# KiCad board agb-hifi-audio-pcb.kicad_pcb
title: AGB HiFi Audio Mod PCB; rev: 1.1; company: Cajun Panda's Retro Gaming
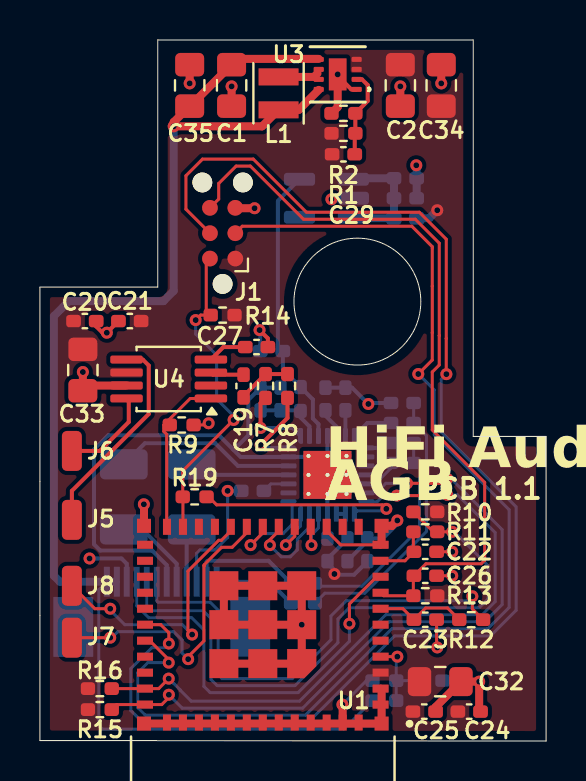
[diagram p0: board, top side]
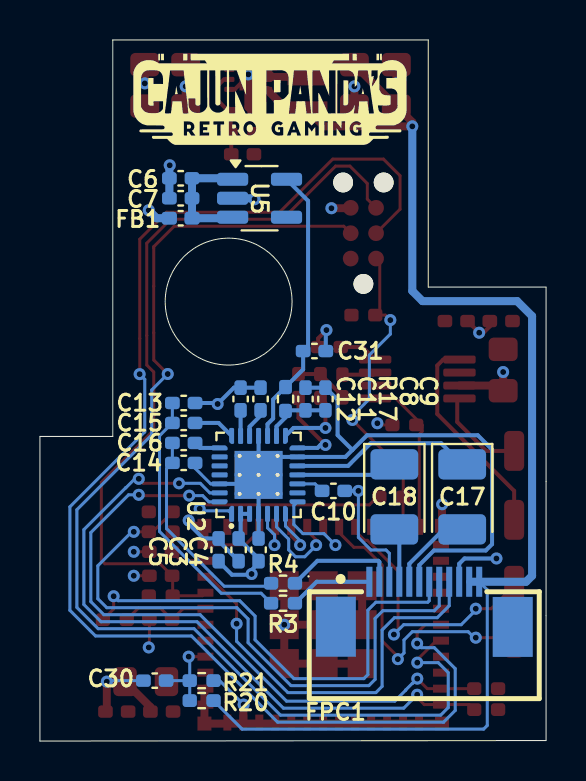
[diagram p1: board, bottom side, seen from below]

Outline 25.35 x 35.1 mm; copper layers: Top (plane), In1.Cu (plane), In2.Cu (plane), Bottom. Coordinates in mm from the lower left corner of the outline.
Outline path: circle c15.9,22 r3.18 ; 0,22.72 0,0.02 25.35,0 25.35,15.25 21.7,15.25 21.7,35.1 5.9,35.1 5.9,22.72 0,22.72
Stack: Top 0.035mm / dielectric 0.1mm FR4 er 4.5 / In1.Cu 0.035mm / dielectric 1.24mm FR4 er 4.5 / In2.Cu 0.035mm / dielectric 0.1mm FR4 er 4.5 / Bottom 0.035mm

## Placement (name value [footprint] x y rotation side)
C1  22u  [C_0805_2012Metric_Pad1.18x1.45mm_HandSolder]  9.6 32.83 270 top
C2  22u  [C_0805_2012Metric_Pad1.18x1.45mm_HandSolder]  18.05 32.83 270 top
C3  10u  [C_0402_1005Metric_Pad0.74x0.62mm_HandSolder]  15.4 9.58 270 bottom
C4  100n  [C_0402_1005Metric_Pad0.74x0.62mm_HandSolder]  14.4 9.58 90 bottom
C5  1u  [C_0402_1005Metric_Pad0.74x0.62mm_HandSolder]  16.4 9.58 90 bottom
C6  10u  [C_0402_1005Metric_Pad0.74x0.62mm_HandSolder]  18.3 28.17 0 bottom
C7  100n  [C_0402_1005Metric_Pad0.74x0.62mm_HandSolder]  18.3 27.17 0 bottom
C8  10u  [C_0402_1005Metric_Pad0.74x0.62mm_HandSolder]  12.05 17.12 90 bottom
C9  100n  [C_0402_1005Metric_Pad0.74x0.62mm_HandSolder]  11.05 17.12 90 bottom
C10  10u  [C_0402_1005Metric_Pad0.74x0.62mm_HandSolder]  10.65 12.52 180 bottom
C11  10u  [C_0402_1005Metric_Pad0.74x0.62mm_HandSolder]  14.3 17.12 90 bottom
C12  4.7u  [C_0402_1005Metric_Pad0.74x0.62mm_HandSolder]  15.3 17.12 90 bottom
C13  10n C0G  [C_0402_1005Metric_Pad0.74x0.62mm_HandSolder]  18.15 16.92 180 bottom
C14  10n C0G  [C_0402_1005Metric_Pad0.74x0.62mm_HandSolder]  18.15 13.92 180 bottom
C15  1u  [C_0402_1005Metric_Pad0.74x0.62mm_HandSolder]  18.15 15.92 180 bottom
C16  1u  [C_0402_1005Metric_Pad0.74x0.62mm_HandSolder]  18.15 14.92 180 bottom
C17  220u/6.3V  [CP_EIA-3528-21_Kemet-B_HandSolder]  4.2 12.22 270 bottom
C18  220u/6.3V  [CP_EIA-3528-21_Kemet-B_HandSolder]  7.6 12.22 270 bottom
C19  1u  [C_0402_1005Metric_Pad0.74x0.62mm_HandSolder]  10.2 17.77 90 top
C20  10u  [C_0402_1005Metric_Pad0.74x0.62mm_HandSolder]  2.25 21.02 0 top
C21  100n  [C_0402_1005Metric_Pad0.74x0.62mm_HandSolder]  4.5 21.02 180 top
C22  10n  [C_0402_1005Metric_Pad0.74x0.62mm_HandSolder]  19.3 9.47 0 top
C23  10n  [C_0402_1005Metric_Pad0.74x0.62mm_HandSolder]  19.3 6.08 0 top
C24  10u  [C_0402_1005Metric_Pad0.74x0.62mm_HandSolder]  21.5 1.47 0 top
C25  100n  [C_0402_1005Metric_Pad0.74x0.62mm_HandSolder]  19.25 1.47 0 top
C26  100n  [C_0402_1005Metric_Pad0.74x0.62mm_HandSolder]  19.3 8.27 0 top
C27  1u  [C_0402_1005Metric_Pad0.74x0.62mm_HandSolder]  10.85 19.72 180 top
C29  10pF  [C_0402_1005Metric_Pad0.74x0.62mm_HandSolder]  15.2 29.38 0 top
C30  100n  [C_0402_1005Metric_Pad0.74x0.62mm_HandSolder]  19.6 3.02 0 bottom
C31  1u  [C_0402_1005Metric_Pad0.74x0.62mm_HandSolder]  11.6 19.52 180 bottom
C32  22u  [C_0805_2012Metric_Pad1.18x1.45mm_HandSolder]  20.05 2.97 0 top
C33  22u  [C_0805_2012Metric_Pad1.18x1.45mm_HandSolder]  2.15 18.58 270 top
C34  22u  [C_0805_2012Metric_Pad1.18x1.45mm_HandSolder]  20.1 32.83 90 top
C35  22u  [C_0805_2012Metric_Pad1.18x1.45mm_HandSolder]  7.5 32.83 90 top
FB1  600R@100MHz  [L_0402_1005Metric_Pad0.77x0.64mm_HandSolder]  18.3 26.17 180 bottom
FPC1  AFC07-S12ECA-00  [FPC-SMD_12P-P0.50_AFC07-S12ECA-00]  6.1 6.84 180 bottom
J1  TC2030-IDC-NL  [Tag-Connect_TC2030-IDC-NL_2x03_P1.27mm_Vertical]  9.15 25.42 90 top
J5  SPK+  [SolderWirePad_1x01_SMD_1x2mm]  1.6 11.08 0 top
J6  SPK-  [SolderWirePad_1x01_SMD_1x2mm]  1.6 14.52 0 top
J7  EXPANSION0  [SolderWirePad_1x01_SMD_1x2mm]  1.6 5.17 0 top
J8  EXPANSION1  [SolderWirePad_1x01_SMD_1x2mm]  1.6 7.77 0 top
L1  0.47uH  [L_Sunlord_SWPA252012S]  11.95 32.42 90 top
NT1  NetTie_2  [NetTie-2_SMD_Pad0.2mm]  12.9 14.22 180 bottom
R1  316k  [R_0402_1005Metric_Pad0.72x0.64mm_HandSolder]  15.2 30.42 0 top
R2  100k  [R_0402_1005Metric_Pad0.72x0.64mm_HandSolder]  15.2 31.42 180 top
R3  2.2k  [R_0402_1005Metric_Pad0.72x0.64mm_HandSolder]  13.17 6.9 0 bottom
R4  2.2k  [R_0402_1005Metric_Pad0.72x0.64mm_HandSolder]  13.17 7.9 0 bottom
R7  15k  [R_0402_1005Metric_Pad0.72x0.64mm_HandSolder]  11.3 17.77 90 top
R8  15k  [R_0402_1005Metric_Pad0.72x0.64mm_HandSolder]  12.4 17.77 90 top
R9  100k  [R_0402_1005Metric_Pad0.72x0.64mm_HandSolder]  7.1 15.83 180 top
R10  10k  [R_0402_1005Metric_Pad0.72x0.64mm_HandSolder]  19.3 11.47 180 top
R11  1k  [R_0402_1005Metric_Pad0.72x0.64mm_HandSolder]  19.3 10.47 180 top
R12  1k  [R_0402_1005Metric_Pad0.72x0.64mm_HandSolder]  21.6 6.08 180 top
R13  10k  [R_0402_1005Metric_Pad0.72x0.64mm_HandSolder]  19.3 7.27 180 top
R14  10k  [R_0402_1005Metric_Pad0.72x0.64mm_HandSolder]  9.15 21.33 180 top
R15  4.7k  [R_0402_1005Metric_Pad0.72x0.64mm_HandSolder]  3 1.58 0 top
R16  4.7k  [R_0402_1005Metric_Pad0.72x0.64mm_HandSolder]  3 2.62 0 top
R17  10R  [R_0402_1005Metric_Pad0.72x0.64mm_HandSolder]  13.05 17.12 270 bottom
R19  33R  [R_0402_1005Metric_Pad0.72x0.64mm_HandSolder]  7.75 12.22 0 top
R20  100k  [R_0402_1005Metric_Pad0.72x0.64mm_HandSolder]  17.25 2.02 0 bottom
R21  100k  [R_0402_1005Metric_Pad0.72x0.64mm_HandSolder]  17.25 3.02 180 bottom
U1  ESP32-PICO-MINI-02-N8R2  [MODULE_ESP32-PICO-MINI-02]  11.16 5.83 180 top
U2  ES8388  [QFN-28-1EP_4x4mm_P0.45mm_EP2.4x2.4mm_ThermalVias]  14.4 13.33 90 bottom
U3  TPS61021ADSGR  [DSG0008A_TEX]  14.91 33.38 180 top
U4  PAM8302AASCR  [MSOP-8_3x3mm_P0.65mm]  6.45 18.12 180 top
U5  LP5907MFX-3.0  [SOT-23-5_HandSoldering]  14.35 27.17 180 bottom

## Library data of the parts
C1 C2 = -: KiLib_Generator: SMD_2terminal_chip_molded; MPN: CL21A226MAQNNNE; LCSC: C45783; Manufacturer: Samsung Electro-Mechanics; DigiKey: 1276-2908-2-ND; BOM Comments: 22u 25V X5R 0805, JLC basic. DigiKey stock 0 @2026-07-12; DK alt TMK212BBJ226MG-TT (587-6359-1-ND); ki_fp_filters: C_*
C3 C6 C8 C10 C11 C20 C24 = -: KiLib_Generator: SMD_2terminal_chip_molded; MPN: CL05A106MQ5NUNC; LCSC: C15525; Manufacturer: Samsung Electro-Mechanics; DigiKey: 490-GRM155R61A106ME18DCT-ND; ki_fp_filters: C_*
C4 C7 C9 C21 C25 C26 C30 = -: KiLib_Generator: SMD_2terminal_chip_molded; MPN: CL05B104KO5NNNC; LCSC: C1525; Manufacturer: Samsung Electro-Mechanics; DigiKey: 490-3261-1-ND; ki_fp_filters: C_*
C5 C19 C27 C31 = -: KiLib_Generator: SMD_2terminal_chip_molded; MPN: CL05A105KA5NQNC; LCSC: C52923; Manufacturer: Samsung Electro-Mechanics; DigiKey: 490-10694-1-ND; ki_fp_filters: C_*
C12 = -: KiLib_Generator: SMD_2terminal_chip_molded; MPN: CL05A475MP5NRNC; LCSC: C23733; Manufacturer: Samsung Electro-Mechanics; DigiKey: 490-5915-1-ND; ki_fp_filters: C_*
C13 C14 = -: KiLib_Generator: Reconstruction LPF shunt cap; sets the corner; MPN: GRM1555C1E103JE01D; Note: Reconstruction LPF shunt cap; sets the corner; LCSC: C3855387; Manufacturer: Murata Electronics; DigiKey: 490-GRM1555C1E103JE01DCT-ND; ki_fp_filters: C_*
C15 C16 = -: KiLib_Generator: SMD_2terminal_chip_molded; MPN: CL05A105KA5NQNC; Note: AC-couple; sets the bass high-pass corner; LCSC: C52923; Manufacturer: Samsung Electro-Mechanics; DigiKey: 490-10694-1-ND; ki_fp_filters: C_*
C17 C18 = -: KiLib_Generator: SMD_2terminal_chip_molded; MPN: T520B227M006ATE045; Note: Sole HP DC block. 220u polymer (3528 B): ~23Hz corner into 16ohm + 15ohm build-out, 45Hz bare 16ohm. Max bass for the 3528 footprint. DNP if using capless headphones. Pin1(+) to codec.; LCSC: C254404; Manufacturer: KEMET; DigiKey: 399-5755-1-ND; ki_fp_filters: CP_*
C22 C23 = -: KiLib_Generator: SMD_2terminal_chip_molded; MPN: CL05B103KB5NNNC; LCSC: C15195; Manufacturer: Samsung Electro-Mechanics; DigiKey: 490-4516-1-ND; ki_fp_filters: C_*
C29 = -: KiLib_Generator: SMD_2terminal_chip_molded; MPN: CL05C100JB5NNNC; LCSC: C32949; Manufacturer: Samsung Electro-Mechanics; DigiKey: 490-5921-1-ND; ki_fp_filters: C_*
C32-C35 = -: KiLib_Generator: SMD_2terminal_chip_molded; MPN: CL21A226MAQNNNE; LCSC: C45783; Manufacturer: Samsung Electro-Mechanics; DigiKey: 1276-2908-2-ND; ki_fp_filters: C_*
FB1 = -: KiLib_Generator: SMD_2terminal_chip_molded; MPN: BLM15AG601SN1D; LCSC: C76884; Manufacturer: Murata Electronics; DigiKey: 490-1006-1-ND; ki_fp_filters: Inductor_* L_* *Ferrite*
FPC1 = -: Datasheet: https://datasheet.lcsc.com/datasheet/pdf/e6db9dca17f20fc619a0f13e17b23bd3.pdf; LCSC Part: C262585; Note: Top-contact 0.5mm ZIF; pin 1 mirrored for the folded flex tail. Swapped from Hirose FH12A-12S-0.5SH(55) 2026-07-21 (no JLCPCB stock); flex-tail mating spec verified against AFC07 datasheet.; LCSC: C262585; Manufacturer: JUSHUO; ki_fp_filters: Connector*:*_1x??_*
J1 = -: ki_fp_filters: Connector*:*_2x??_*
J5-J8 = -: ki_fp_filters: Connector*:*_1x??_*
L1 = -: MPN: WIP252012P-R47ML; Note: Boost inductor; size per the TPS61021 datasheet; LCSC: C964119; Manufacturer: INPAQ; DigiKey: 490-13049-1-ND; ki_fp_filters: Choke_* *Coil* Inductor_* L_*
NT1 = -: Note: GND/AGND 2-way star; the only tie between the two grounds; ki_fp_filters: Net*Tie*
R1 = -: KiLib_Generator: SMD_2terminal_chip_molded; MPN: 0402WGF3163TCE; LCSC: C25777; Manufacturer: UNI-ROYAL; DigiKey: 13-RC0402FR-13316KLCT-ND; ki_fp_filters: R_*
R2 R9 R20 R21 = -: KiLib_Generator: SMD_2terminal_chip_molded; MPN: 0402WGF1003TCE; LCSC: C25741; Manufacturer: UNI-ROYAL; DigiKey: 311-100KLRCT-ND; ki_fp_filters: R_*
R3 R4 = -: KiLib_Generator: Reconstruction LPF series R; sets the corner; MPN: 0402WGF2201TCE; Note: Reconstruction LPF series R; sets the corner; LCSC: C25879; Manufacturer: UNI-ROYAL; DigiKey: 13-RC0402FR-132K2LCT-ND; ki_fp_filters: R_*
R7 = -: KiLib_Generator: Mono sum to the speaker amp; level set by codec output volume; MPN: 0402WGF1502TCE; Note: Mono sum to the speaker amp; level set by codec output volume; LCSC: C25756; Manufacturer: UNI-ROYAL; DigiKey: 311-15.0KLRCT-ND; ki_fp_filters: R_*
R8 = -: KiLib_Generator: Mono sum to the speaker amp; MPN: 0402WGF1502TCE; Note: Mono sum to the speaker amp; LCSC: C25756; Manufacturer: UNI-ROYAL; DigiKey: 311-15.0KLRCT-ND; ki_fp_filters: R_*
R10 R13 R14 = -: KiLib_Generator: SMD_2terminal_chip_molded; MPN: 0402WGF1002TCE; LCSC: C25744; Manufacturer: UNI-ROYAL; DigiKey: 541-10.0KLCT-ND; ki_fp_filters: R_*
R11 R12 = -: KiLib_Generator: SMD_2terminal_chip_molded; MPN: 0402WGF1001TCE; LCSC: C11702; Manufacturer: UNI-ROYAL; DigiKey: 311-1.00KLRCT-ND; ki_fp_filters: R_*
R15 R16 = -: KiLib_Generator: SMD_2terminal_chip_molded; MPN: 0402WGF4701TCE; LCSC: C25900; Manufacturer: UNI-ROYAL; DigiKey: 311-4.7KLRCT-ND; ki_fp_filters: R_*
R17 = -: KiLib_Generator: R-iso AVDD to HPVDD per ES8388 datasheet; MPN: 0402WGF100JTCE; Note: R-iso AVDD to HPVDD per ES8388 datasheet; LCSC: C25077; Manufacturer: UNI-ROYAL; DigiKey: YAG3438CT-ND; ki_fp_filters: R_*
R19 = -: KiLib_Generator: SMD_2terminal_chip_molded; MPN: 0402WGF330JTCE; LCSC: C25105; Manufacturer: UNI-ROYAL; DigiKey: 311-33.0LRCT-ND; ki_fp_filters: R_*
U1 = -: LCSC: C2980306; Manufacturer: Espressif Systems; DigiKey: 1965-ESP32-PICO-MINI-02-N8R2CT-ND
U2 = -: KiLib_Generator: I2C addr 0x10 (CE tied low); Note: I2C addr 0x10 (CE tied low); LCSC: C365736; Manufacturer: Everest Semiconductor
U3 = -: LCSC: C193037; Manufacturer: Texas Instruments; DigiKey: 296-TPS61021ADSGRCT-ND
U4 = -: KiLib_Generator: package/gullwing; LCSC: C113367; Manufacturer: Diodes Incorporated; DigiKey: PAM8302AASCRDICT-ND; ki_fp_filters: MSOP*0.65mm*
U5 = -: Datasheet: http://www.ti.com/lit/ds/symlink/lp5907.pdf; Description: 250-mA Ultra-Low-Noise Low-IQ LDO, 3.0V, SOT-23-5; MPN: LP5907MFX-3.0/NOPB; Manufacturer: Texas Instruments; LCSC: C475492; DigiKey: 296-40357-1-ND; BOM Comments: Codec analog LDO (AVDD/HPVDD off the radio rail). JLC extended part - no basic low-noise LDO exists. Genuine TI; cheaper LCSC C23380873 unverified mfr.; ki_fp_filters: SOT?23*

## Footprints (pads in the part's own frame, mm; a bottom-side part is the same pattern mirrored in y, then rotated)
C_0402_1005Metric_Pad0.74x0.62mm_HandSolder
  rrect 0.735x0.62 smd: 1(-0.568,0) 2(0.568,0)
C_0805_2012Metric_Pad1.18x1.45mm_HandSolder
  rrect 1.175x1.45 smd: 1(-1.038,0) 2(1.038,0)
CP_EIA-3528-21_Kemet-B_HandSolder
  rrect 1.515x2.39 smd: 1(-1.627,0) 2(1.627,0)
DSG0008A_TEX
  rrect 0.508x0.254 smd: 1(-0.95,0.75) 2(-0.95,0.25) 3(-0.95,-0.25) 4(-0.95,-0.75) 5(0.95,-0.75) 6(0.95,-0.25) 7(0.95,0.25) 8(0.95,0.75)
  rect 0.889x1.6 smd: 9(0,0)
FPC-SMD_12P-P0.50_AFC07-S12ECA-00
  rect 0.3x1.5 smd: 1(-2.75,1.13) 2(-2.25,1.13) 3(-1.75,1.13) 4(-1.25,1.13) 5(-0.75,1.13) 6(-0.25,1.13) 7(0.25,1.13) 8(0.75,1.13) 9(1.25,1.13) 10(1.75,1.13) 11(2.25,1.13) 12(2.75,1.13)
  rect 2x3 smd: 13(4.43,-1.13) 14(-4.43,-1.12)
L_0402_1005Metric_Pad0.77x0.64mm_HandSolder
  rrect 0.765x0.64 smd: 1(-0.573,0) 2(0.573,0)
L_Sunlord_SWPA252012S
  rect 0.85x2 smd: 1(-0.825,0) 2(0.825,0)
MODULE_ESP32-PICO-MINI-02
  rect 0.8x0.4 smd: 1(-5.9,4) 2(-5.9,3.2) 3(-5.9,2.4) 4(-5.9,1.6) 5(-5.9,0.8) 6(-5.9,0) 7(-5.9,-0.8) 8(-5.9,-1.6) 9(-5.9,-2.4) 10(-5.9,-3.2) 11(-5.9,-4) 25(5.9,-4) 26(5.9,-3.2) 27(5.9,-2.4) 28(5.9,-1.6) 29(5.9,-0.8) 30(5.9,0) 31(5.9,0.8) 32(5.9,1.6) 33(5.9,2.4) 34(5.9,3.2) 35(5.9,4)
  rect 0.4x0.8 smd: 12(-4.8,-4.9) 13(-4,-4.9) 14(-3.2,-4.9) 15(-2.4,-4.9) 16(-1.6,-4.9) 17(-0.8,-4.9) 18(0,-4.9) 19(0.8,-4.9) 20(1.6,-4.9) 21(2.4,-4.9) 22(3.2,-4.9) 23(4,-4.9) 24(4.8,-4.9) 36(4.8,4.9) 37(4,4.9) 38(3.2,4.9) 39(2.4,4.9) 40(1.6,4.9) 41(0.8,4.9) 42(0,4.9) 43(-0.8,4.9) 44(-1.6,4.9) 45(-2.4,4.9) 46(-3.2,4.9) 47(-4,4.9) 48(-4.8,4.9)
  rect 1.45x1.45 smd: 49(0,0) 54(-1.95,0) 55(-1.95,-1.95) 56(0,-1.95) 57(1.95,-1.95) 58(1.95,0) 59(1.95,1.95) 60(0,1.95)
  rect 0.7x0.7 smd: 50(5.95,4.95) 51(5.95,-4.95) 52(-5.95,-4.95) 53(-5.95,4.95)
  custom 1.46x1.46 smd: 61(-1.95,1.95)
MSOP-8_3x3mm_P0.65mm
  rrect 1.625x0.4 smd: 1(-2.112,0.975) 2(-2.112,0.325) 3(-2.112,-0.325) 4(-2.112,-0.975) 5(2.112,-0.975) 6(2.112,-0.325) 7(2.112,0.325) 8(2.112,0.975)
NetTie-2_SMD_Pad0.2mm
  round 0.2 smd: 1(-0.3,0) 2(0.3,0)
QFN-28-1EP_4x4mm_P0.45mm_EP2.4x2.4mm_ThermalVias
  rrect 1.04x1.04 smd: (-0.6,-0.6) (-0.6,0.6) (0.6,-0.6) (0.6,0.6)
  custom 0.8x0.25 smd: 1(-1.95,1.35) 7(-1.95,-1.35) 15(1.95,-1.35) 21(1.95,1.35)
  rrect 0.8x0.25 smd: 2(-1.95,0.9) 3(-1.95,0.45) 4(-1.95,0) 5(-1.95,-0.45) 6(-1.95,-0.9) 16(1.95,-0.9) 17(1.95,-0.45) 18(1.95,0) 19(1.95,0.45) 20(1.95,0.9)
  custom 0.25x0.8 smd: 8(-1.35,-1.95) 14(1.35,-1.95) 22(1.35,1.95) 28(-1.35,1.95)
  rrect 0.25x0.8 smd: 9(-0.9,-1.95) 10(-0.45,-1.95) 11(0,-1.95) 12(0.45,-1.95) 13(0.9,-1.95) 23(0.9,1.95) 24(0.45,1.95) 25(0,1.95) 26(-0.45,1.95) 27(-0.9,1.95)
  round 0.5 hole 0.2: 29(-0.95,-0.95) 29(-0.95,0) 29(-0.95,0.95) 29(0,-0.95) 29(0,0) 29(0,0.95) 29(0.95,-0.95) 29(0.95,0) 29(0.95,0.95)
  rect 2.4x2.4 smd far side: 29(0,0)
  rect 2.4x2.4 smd: 29(0,0)
R_0402_1005Metric_Pad0.72x0.64mm_HandSolder
  rrect 0.715x0.64 smd: 1(-0.598,0) 2(0.598,0)
SolderWirePad_1x01_SMD_1x2mm
  rrect 1x2 smd: 1(0,0)
SOT-23-5_HandSoldering
  rrect 1.56x0.65 smd: 1(-1.35,0.95) 2(-1.35,0) 3(-1.35,-0.95) 4(1.35,-0.95) 5(1.35,0.95)
Tag-Connect_TC2030-IDC-NL_2x03_P1.27mm_Vertical
  round 0.991 hole 0.991 unplated: (-2.54,0) (2.54,1.016) (2.54,-1.016)
  round 0.787 smd: 1(-1.27,-0.635) 2(-1.27,0.635) 3(0,-0.635) 4(0,0.635) 5(1.27,-0.635) 6(1.27,0.635)

## Nets
+3V3: C2.1 C3.1 C4.1 C5.1 C20.1 C21.1 C24.1 C25.1 C29.1 C32.1 C33.1 C34.1 FB1.1 J1.1 R1.1 R10.1 R13.1 R14.1 R15.1 R16.1 U1.3 U2.2 U2.3 U3.3 U3.4 U4.6
AGND: C8.2 C9.2 FPC1.6 NT1.2 U2.13
AVDD: C31.1 R17.1 U2.17 U5.5
AVDD_IN: C6.1 C7.1 FB1.2 U5.1 U5.3
GND: C1.2 C2.2 C3.2 C4.2 C5.2 C6.2 C7.2 C10.2 C11.2 C12.2 C13.2 C14.2 C20.2 C21.2 C22.2 C23.2 C24.2 C25.2 C26.2 C27.1 C30.2 C31.2 C32.2 C33.2 C34.2 C35.2 FPC1.3 FPC1.10 J1.5 NT1.1 R2.2 R9.1 R21.2 U1.1 U1.2 U1.11 U1.14 U1.36 U1.37 U1.38 U1.39 U1.40 U1.41 U1.42 U1.43 U1.44 U1.45 U1.46 U1.47 U1.48 U1.49 U1.50 U1.51 U1.52 U1.53 U1.54 U1.55 U1.56 U1.57 U1.58 U1.59 U1.60 U1.61 U2.4 U2.18 U2.26 U2.29 U3.1 U3.9 U4.7 U5.2
VBAT: C1.1 C35.1 FPC1.11 FPC1.12 L1.1 R20.1 U3.5 U3.8
VBAT_SENSE: C30.1 R20.2 R21.1 U1.4
ADCVREF: C11.1 U2.19
ESP_BOOT: J1.2 R14.2 R19.1 U1.23
ESP_EN: C26.1 J1.6 R13.2 U1.8
EXP0: J7.1 U1.19
EXP1: J8.1 U1.20
HP_DET: C22.1 R11.2 U1.10
HPVDD: C8.1 C9.1 R17.2 U2.16
I2C_SCL: R16.2 U1.34 U2.28
I2C_SDA: R15.2 U1.35 U2.27
I2S_BCLK: U1.15 U2.5
I2S_DIN: U1.18 U2.8
I2S_DOUT: U1.17 U2.6
I2S_LRCK: U1.16 U2.7
I2S_MCLK: R19.2 U2.1
LIN: FPC1.2 R4.1
LOUT: C17.2 FPC1.5
LOUT1: C17.1 U2.12
LOUT2: R7.1 U2.15
PAIR: FPC1.9 U1.9
PAM_IN: C19.2 U4.3
PAM_SD: R9.2 U1.24 U4.1
PAM_SUM: C19.1 R7.2 R8.2
RIN: FPC1.1 R3.1
ROUT: C18.2 FPC1.4
ROUT1: C18.1 U2.11
ROUT2: R8.1 U2.14
SPK+: J5.1 U4.5
SPK-: J6.1 U4.8
SW: FPC1.8 R10.2 R11.1
UART_RX: J1.4 U1.30
UART_TX: J1.3 U1.31
VMID: C12.1 U2.20
VOL: FPC1.7 R12.1
VOL_F: C23.1 R12.2 U1.7
VREF: C10.1 U2.10
Net-(C13-Pad1): C13.1 C15.1 R3.2
Net-(C14-Pad1): C14.1 C16.1 R4.2
Net-(L1-Pad2): L1.2 U3.6 U3.7
Net-(U2-LIN2): C16.2 U2.22
Net-(U2-RIN2): C15.2 U2.21
Net-(U3-FB): C29.2 R1.2 R2.1 U3.2
Net-(U4-IN-): C27.2 U4.4

Pads without a net: FPC1 13 14; U1 5 6 12 13 21 22 25 26 27 28 29 32 33; U2 9 23 24 25; U4 2; U5 4

## Via types
v1: diameter 0.6, hole 0.3, Top to Bottom, 53 vias

## Routing (per net, layer and track width the routed paths; a pad name or vN(x,y) marks a point on that pad's centre or on a via; arc(x,y) is an arc through that point)
+3V3: length 6.8
  Bottom w0.2: U2.3 U2.2 15.3,10.24 ; 14.4,8.91 14.75,8.56 v1(14.75,8.36) 14.79,8.33 15.73,8.33 16.4,8.99 ; 14.4,9.13 15.4,10.13
  Bottom w0.4: FB1.1 19.5,26.17 v1(19.9,26.58)
AGND: length 24.8
  Bottom w0.2: 9.7,14.58 8.96,15.31 3.42,15.31 2.7,14.59 2.7,9.86 3.02,9.54 5.62,9.54 6.35,8.81 FPC1.6 ; 9.7,14.58 10.44,15.31 10.44,17.08 C9.2 C8.2 ; 9.7,14.58 10.05,14.22 U2.13
AVDD: length 14.1
  Bottom w0.2: U5.5 11.92,27.05 11.92,19.77 C31.1 12.17,18.61 R17.1 13.67,17.1 13.67,16.15 13.95,15.87 U2.17
AVDD_IN: length 6
  Bottom w0.4: 17.73,26.18 C7.1 C6.1 15.75,28.17 ; FB1.2 15.75,26.17
GND: length 90.1
  Top w0.15: C22.2 20.6,9.47 ; C23.2 19.87,4.72 v1(19.9,4.69) ; R9.1 8.36,15.83 v1(8.45,15.91) ; U1.11 15.06,9.83 14.36,10.52 ; 20.6,8.27 C26.2
  Top w0.2: 14.91,33.31 15.59,32.62 U3.1 ; C21.2 v1(3.35,20.44) 3.13,20.44 2.82,20.76 C20.2 ; C27.1 11.42,20.16 v1(11,20.58)
  Top w0.4: U1.11 17.11,9.88 U1.52 17.63,10.77 v1(17.9,11.04) ; R2.2 14.91,31.74 v1(14.91,33.38) ; U1.59 U1.60 U1.61 ; v1(9.6,32.77) C1.2 ; v1(10.75,26.67) 9.8,26.67 ; U1.51 5.21,11.76 5.21,11.77 v1(5.21,11.85) ; U1.47 15.16,1.81 v1(15.15,1.83) ; C25.2 19.82,1.7 C32.2 v1(22,2.97) 22,1.54 ; 2.41,17.8 U4.7 ; U1.2 17.11,2.58 U1.53 U1.50 ; C34.2 v1(20.1,32.92) ; 13.11,3.97 13.11,5.67 ; C35.2 v1(7.5,32.92) ; C33.2 v1(2.15,18.47) ; C2.2 v1(18.05,32.77) ; v1(13.11,5.83) U1.49 U1.58 U1.57 U1.56 U1.55 v1(13.11,5.83)
  Bottom w0.15: v1(22,2.97) 21.95,3.02 C30.2 ; C14.2 17.58,13.66 16.8,12.88 U2.26 ; FPC1.3 7.85,9.4 8.02,9.56 8.77,9.56 9.4,10.2 v1(9.4,12.52) ; R21.2 16.35,3.02 v1(15.15,1.83)
  Bottom w0.2: C5.2 17.17,10.14 17.9,10.87 v1(17.9,11.04) ; 14.85,12.88 U2.26 ; C13.2 16.5,16.92 v1(16.45,16.88) 15.63,17.69 C12.2 C11.2 ; FPC1.10 4.35,8.88 4.08,9.14 v1(2.48,9.14) ; v1(11,20.58) 11.03,20.54 C31.2 ; U2.18 U2.29 ; U2.29 U2.4 C4.2 ; 15.4,9.02 16.4,10.02 ; v1(9.4,12.52) C10.2
  Bottom w0.4: v1(14.6,27.12) 14.65,27.17 U5.2 ; C7.2 C6.2 18.87,28.81 v1(18.85,28.83)
  vias: v1(20.65,9.47) v1(20.65,8.27)
VBAT: length 69.1
  Top w0.4: 13.96,32.6 12.97,31.6 L1.1 11.12,30.77 v1(6.7,30.77) 6.7,30.99 C35.1 ; 7.52,31.79 C1.1 ; 9.89,34.15 13.96,34.15
  Bottom w0.15: R20.1 15.22,0.6 3.13,0.6 2.94,0.78 2.94,7.57 FPC1.12
  Bottom w0.4: 3.8,7.97 FPC1.12 1,7.97 0.7,8.27 0.7,21.27 1.45,22.02 6.19,22.02 6.7,22.54 v1(6.7,30.77)
VBAT_SENSE: length 4.2
  Top w0.15: U1.4 v1(17.9,4.22)
  Bottom w0.15: v1(17.9,4.22) 17.85,4.17 R21.1 ; C30.1 R21.1 ; R21.1 R20.2
ADCVREF: length 1.2
  Bottom w0.2: U2.19 14.85,15.74 14.3,16.29
ESP_BOOT: length 15.8
  Top w0.15: 9.65,15.97 9.8,15.97 v1(9.7,16.08) 7.15,13.53 R19.1 ; v1(7.8,21.08) 8.05,21.33 R14.2 ; U1.23 7.16,12.22 ; 8.33,21.55 8.33,23.97
  Bottom w0.15: v1(9.7,16.08) 9.7,16.27 8.85,17.12 8.85,19.33 7.8,20.38 v1(7.8,21.08)
ESP_EN: length 38.1
  Top w0.15: U1.8 17.21,7.27 R13.2 18.7,8.24 ; 8.52,26.69 8.95,27.13 8.95,27.91 9.83,28.79 10.54,28.79 13.2,26.12 18.8,26.12 20,24.92 20,20.3 20,20.3 20,18.83 19.65,18.47 19.65,15.58 22.27,12.95 22.27,9.05 22.1,8.88 19.33,8.88 C26.1
EXP0: length 14.7
  Top w0.15: v1(7.42,4.1) 7.42,4.22 8.21,5.01 8.21,8.77 8.22,8.77 8.22,8.83 9.1,9.7 9.63,9.7 10.36,10.44 ; 3.45,5.12 3.4,5.17 J7.1
  Bottom w0.15: v1(7.42,4.1) 7.11,4.41 7.11,5.06 6.7,5.47 3.9,5.47 3.55,5.12
  vias: v1(3.52,5.17)
EXP1: length 13.3
  Top w0.15: 3.45,6.62 2.75,6.62 J8.1 ; 9.56,10.52 9.09,10.05 8.96,10.05 7.41,8.51 7.41,5.54 7.62,5.34 v1(7.62,5.33)
  Bottom w0.15: v1(3.52,6.62) 3.52,6.55 4.25,5.83 7.13,5.83 7.62,5.34 v1(7.62,5.33)
HP_DET: length 2.8
  Top w0.15: C22.1 18.28,9.02 U1.10 ; R11.2 18.7,9.5
HPVDD: length 3.4
  Bottom w0.2: U2.16 13.5,15.75 13.05,16.2 R17.2 ; C9.1 C8.1 13.02,16.56
I2C_SCL: length 32.8
  Top w0.15: R16.2 U1.34 5.95,2.62 v1(6.45,3.12) ; v1(17.87,12.29) 20.36,12.29 v1(20.4,12.33)
  Bottom w0.15: v1(6.45,3.12) 6.68,2.89 6.69,2.89 7.03,2.56 7.03,2.54 7.58,2 13,2 17.32,6.33 22.14,6.33 22.8,6.98 22.8,10.44 20.91,12.33 v1(20.4,12.33) ; v1(17.87,12.29) 17.2,12.29 16.89,11.97 U2.28
I2C_SDA: length 34.3
  Top w0.15: v1(18.38,12.9) 20.17,12.9 v1(20.4,13.13) ; v1(6.46,2.32) 6.46,2.18 6.1,1.83 U1.35 3.85,1.83 R15.2
  Bottom w0.15: v1(20.4,13.13) 20.6,13.13 21.05,12.68 21.05,12.68 23.15,10.58 23.15,6.84 22.29,5.97 17.49,5.97 13.16,1.65 7.13,1.65 v1(6.46,2.32) ; U2.27 16.84,12.42 17.32,12.9 v1(18.38,12.9)
I2S_BCLK: length 2.6
  Top w0.15: v1(13.6,9.81) 13.56,9.85 U1.15
  Bottom w0.15: v1(13.6,9.81) 13.6,10.32 13.95,10.67 U2.5
I2S_DIN: length 4.6
  Top w0.15: 11.16,10.42 v1(10.55,9.81)
  Bottom w0.15: v1(10.55,9.81) 11.12,10.38 12.18,10.38 12.63,10.84 12.63,11.79 U2.8
I2S_DOUT: length 4.9
  Top w0.15: v1(11.52,9.81) 11.52,10.08 11.96,10.52
  Bottom w0.15: 11.64,9.73 11.64,9.87 11.61,9.89 ; v1(11.52,9.81) 11.52,9.8 12.09,9.22 12.55,9.22 12.89,9.57 12.89,10.11 13.5,10.72 U2.6
I2S_LRCK: length 3
  Top w0.15: U1.16 12.76,10.26 v1(12.32,9.81)
  Bottom w0.15: U2.7 13.05,10.76 12.32,10.03 v1(12.32,9.81)
I2S_MCLK: length 10.9
  Top w0.15: 8.45,12.22 8.85,11.83 17.15,11.83 v1(17.35,11.62)
  Bottom w0.15: v1(17.35,11.62) 17.25,11.52 15.9,11.52 U2.1
LIN: length 5.7
  Bottom w0.2: R4.1 11.45,9.02 8.4,9.02 8.35,8.97 FPC1.2
LOUT: length 3.3
  Bottom w0.2: FPC1.5 6.85,8.88 5.13,10.6
LOUT1: length 9.2
  Bottom w0.2: U2.12 9.91,13.77 8.78,14.91 5.26,14.91 C17.1
LOUT2: length 3.8
  Top w0.2: v1(11.05,15.67) 11.05,16.93 R7.1
  Bottom w0.2: U2.15 12.65,15.67 v1(11.05,15.67)
PAIR: length 20.2
  Top w0.15: 16.86,8.22 15.5,6.86 v1(15.5,5.88)
  Bottom w0.15: v1(15.5,5.88) 15.5,4.99 12.93,2.42 8.52,2.42 8.21,2.74 8.21,5.56 7.59,6.17 5.45,6.17 4.85,6.77 FPC1.9
PAM_IN: length 1.7
  Top w0.2: U4.3 8.67,18.34 C19.2
PAM_SD: length 8.1
  Top w0.15: 6.35,10.74 6.35,15.36 6.2,15.51 6.2,15.83 7.53,17.15 8.56,17.15
PAM_SUM: length 2.7
  Top w0.2: R8.2 R7.2 10.2,17.27
RIN: length 4.2
  Bottom w0.2: FPC1.1 11.49,7.97 12.57,6.9
ROUT: length 2.4
  Bottom w0.2: FPC1.4 7.35,10.35
ROUT1: length 4.3
  Bottom w0.2: 8.13,13.33 U2.11
ROUT2: length 4.4
  Top w0.2: v1(11.05,14.83) 12.4,16.17 R8.1
  Bottom w0.2: U2.14 11.45,14.67 11.3,14.83 v1(11.05,14.83)
SPK+: length 10.6
  Top w0.2: U4.5 5.15,19.1 5.45,18.8 5.45,16.38 1.6,12.52 J5.1
SPK-: length 4.7
  Top w0.2: 4.34,17.15 4.45,17.04 4.45,15.97 3,14.52 J6.1
SW: length 30.6
  Top w0.15: R11.1 v1(20.65,10.47) ; 19.7,10.47 R10.2
  Bottom w0.15: v1(20.65,10.47) 20.75,10.47 22.45,8.77 22.45,7.12 22,6.67 15.49,6.67 14.92,6.11 14.92,4.92 12.77,2.77 8.88,2.77 8.56,3.09 8.56,6.14 8.17,6.52 5.59,6.52 5.35,6.77 FPC1.8
UART_RX: length 66.9
  Top w0.15: v1(6.46,4.88) 6.46,5.42 6.05,5.83 U1.30 ; 8.52,25.42 7.31,26.63 7.31,28.3 8.14,29.14 10.68,29.14 13.34,26.47 19,26.47 20.35,25.12 20.35,20.16 20.35,20.15 20.35,18.38 v1(20.36,18.37)
  Bottom w0.15: v1(6.46,4.88) 6.25,4.67 5.6,4.67 4.55,3.62 4.55,1.53 5.13,0.95 13.45,0.95 17.76,5.26 22.57,5.26 23.85,6.55 23.85,11.72 20.1,15.47 20.1,18.11 v1(20.36,18.37)
UART_TX: length 56.7
  Top w0.15: v1(6.45,3.93) 6.45,4.08 5.5,5.02 ; v1(18.95,18.38) 19.65,19.08 19.65,20.44 19.65,20.45 19.65,22.77 19.65,22.78 19.65,24.67 ; 19.65,24.67 19.65,24.75 18.62,25.77 10.13,25.77 J1.3
  Bottom w0.15: v1(6.45,3.93) 5.4,3.93 4.9,3.42 4.9,1.67 5.28,1.3 13.3,1.3 17.63,5.62 22.43,5.62 23.5,6.69 23.5,11.58 19.75,15.33 19.75,17.58 v1(18.95,18.38)
VMID: length 1.3
  Bottom w0.2: U2.20 C12.1
VOL: length 24.1
  Top w0.15: R12.1 21.66,6.61 v1(21.66,7.25)
  Bottom w0.15: FPC1.7 5.85,7.02 5.92,6.95 8.52,6.95 8.92,6.55 8.92,3.33 9.12,3.12 12.63,3.12 14.57,5.07 14.57,6.26 15.34,7.02 21.43,7.02 v1(21.66,7.25)
VOL_F: length 4.7
  Top w0.15: U1.7 18.18,6.62 C23.1 19.32,6.66 20.42,6.66 R12.2
VREF: length 1.4
  Bottom w0.15: U2.10 11.57,12.88 C10.1
Net-(C13-Pad1): length 13.8
  Bottom w0.15: C13.1 C15.1 19.36,15.28 19.36,10.49 16.27,7.4 14.27,7.4 R3.2
Net-(C14-Pad1): length 10.7
  Bottom w0.15: 16.12,7.75 19.01,10.64 19.01,13.63 C14.1 C16.1 ; 13.92,7.75 16.1,7.75
Net-(L1-Pad2): length 2
  Top w0.4: L1.2 13.72,33.25 13.9,33.42
Net-(U2-LIN2): length 1.3
  Bottom w0.2: U2.22 17.33,14.67 C16.2
Net-(U2-RIN2): length 2.1
  Bottom w0.2: C15.2 16.4,15.92 U2.21
Net-(U3-FB): length 4.4
  Top w0.2: R1.2 R2.1 16.42,32.04 16.42,32.84 16.13,33.12 U3.2 ; C29.2 15.77,30.39
Net-(U4-IN-): length 2
  Top w0.2: U4.4 9.19,19.72 C27.2

## Copper pours and planes (outline as drawn; the poured copper is in the pictures)
+3V3 on Top: -7.69,36.44 -7.59,-0.76 26.61,-1.31 26.91,36.64
GND on In1.Cu: -10.9,36.52 39.2,36.42 39.3,-5.58 -11,-5.88
GND on In2.Cu: -13.9,38.12 37.8,38.12 36.7,-7.27 -12.6,-6.88

## Text on the board
F.Silkscreen: PCB 1.1 | AGB | HiFi Audio
